# Altium PCB HACK_LINK_V1_new_power.PcbDoc (part 1 of 6) (continued)
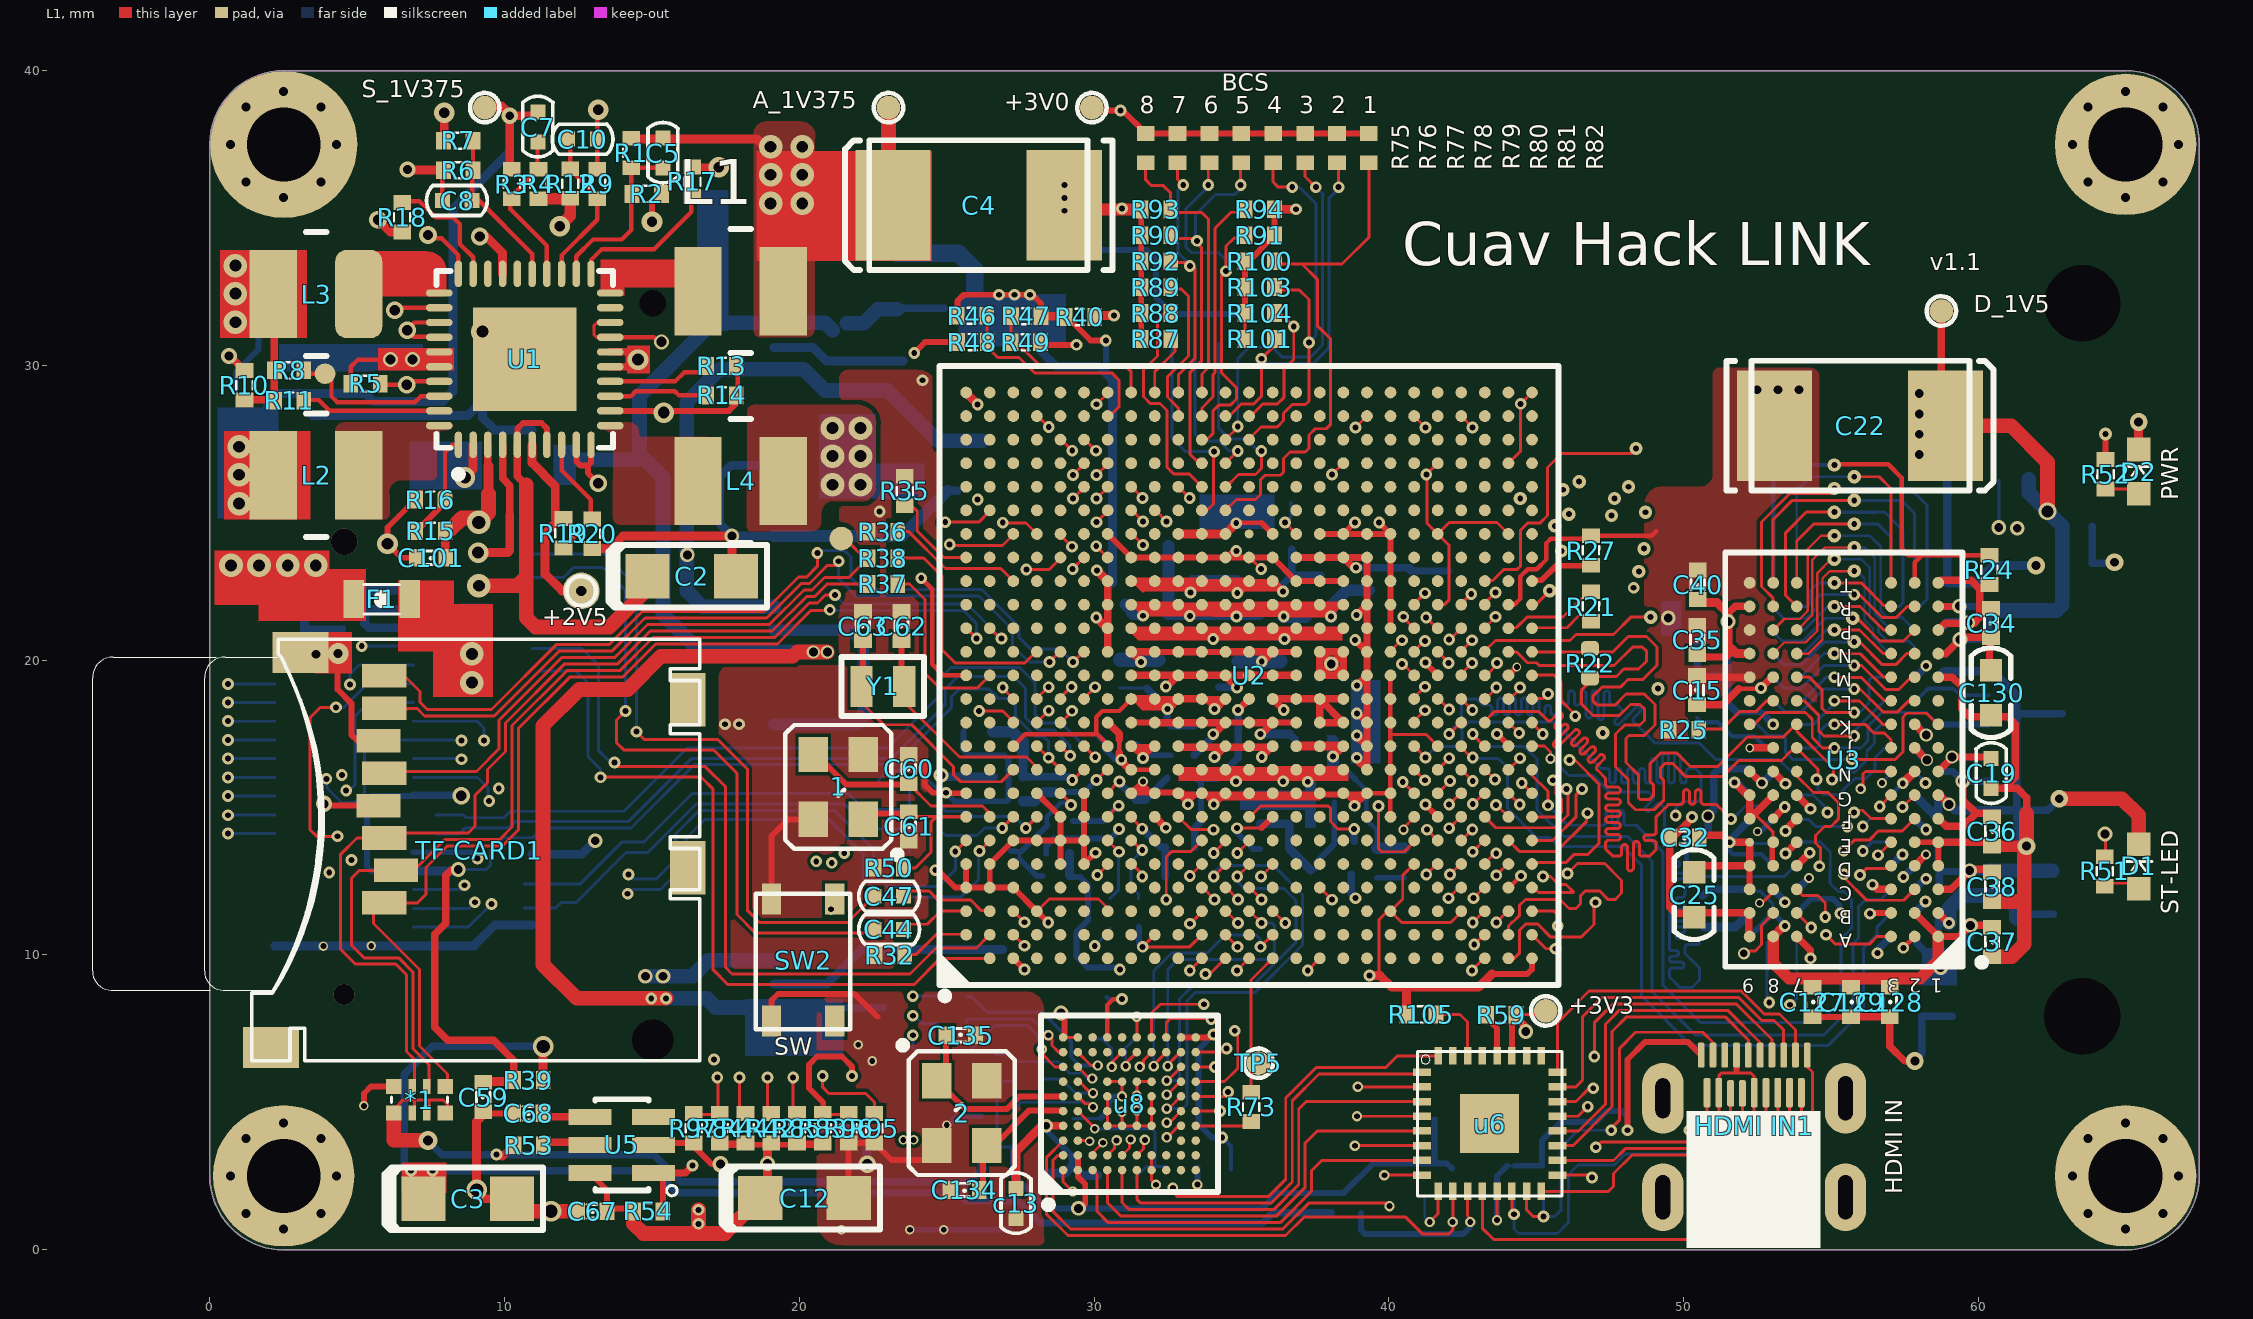
[diagram p0: L1 view]
## Components (designator, comment, footprint, x,y, rotation, side; value= is the part's Value field where it differs from the comment) (continued)
C105 "22u" 0805cap#1 31.375,18.25 r90 bottom
C106 "220n" 0402cap#2 30.175,17.9 r270 bottom
C107 "220n" 0402cap#2 27.091,15.215 r0 bottom
C108 "220n" 0402cap#2 34.766,25.89 r270 bottom
C109 "220n" 0402cap#2 31.125,22.625 r180 bottom
C110 "220n" 0402cap#2 35.741,25.89 r270 bottom
C111 "22u" 0805cap#2 26.2,30.058 r270 bottom
C112 "22u" 0805cap#2 28.211,30.058 r270 bottom
C114 "22u" C0603 27.175,13.525 r270 bottom
C115 "220n" 0402cap#2 33.866,25.89 r270 bottom
C116 "220n" 0402cap#2 50.65,11.5 r90 bottom
C117 "220n" 0402cap#2 59.116,8.415 r90 bottom
C118 "220n" 0402cap#2 58.091,8.415 r90 bottom
C119 "220n" 0402cap#2 39.966,18.79 r180 bottom
C120 "220n" 0402cap#2 39.966,17.865 r180 bottom
C121 "220n" 0402cap#2 39.966,16.94 r180 bottom
C122 "220n" 0402cap#2 36.125,13.6 r180 bottom
C123 "220n" 0402cap#2 26.175,4.025 r270 bottom
C124 "220n" 0402cap#2 28.9,21.225 r0 bottom
C125 "220n" 0402cap#2 63.366,23.29 r180 bottom
C126 "220n" 0402cap#2 63.366,24.54 r180 bottom
C127 "220n" 0402cap#2 54.375,8.399 r90 top
C128 "220n" 0402cap#2 56.997,8.399 r90 top
C129 "220n" 0402cap#2 55.686,8.399 r90 top
C130 "22u" C0603 60.435,19.659 r270 top
C131 "22u" C0603 62.55,12.9 r270 bottom
C132 "220n" 0402cap#2 28.875,22.125 r0 bottom
C133 "22UF" 0603C 30.7,2.575 r0 bottom
C134 "18p" 0402cap#2 25.6,2.025 r0 top
C135 "18p" 0402cap#2 25.475,7.275 r180 top
con1 "528850474" 528850474 4.5,15.75 r270 bottom locked
D1 "LED0" 0603-led-b 65.475,12.95 r90 top
D2 "LED0" 0603-led-b 65.475,26.35 r90 top
D_1V5 "" C035S#2 58.75,31.85 r90 top
F1 "3A" 0805L 5.825,22.1 r180 top
FB1 "220R, 2.5A" 0402r 32.975,16 r0 bottom
H_1V8 "H_3V3" C035S#2 28.275,2.6 r90 bottom
"HDMI IN1" "467651301" 467651301 52.525,2.5 r0 top
J1 "CON 2X26 MINI PCI EXPRESS" 0679100002 37.25,20.7 r90 bottom locked
L1 "1.5UH" VLCF4020#1 18.056,32.425 r0 top
L2 "1.5UH" VLCF4020#1 3.55,26.375 r180 top
L3 "1.5uh" VLCF4020#2 3.55,32.525 r180 top
L4 "1uh" VLCF4020#1 18.056,25.979 r0 top
R1 "215K" R0402#1 14.275,37.2 r90 top
R2 "200k" R0402#1 14.825,35.8 r180 top
R3 "178K" R0402#1 10.225,36.15 r90 top
R4 "200k" R0402#1 11.125,36.15 r90 top
R5 "50k" R0402#1 5.275,29.4 r0 top
R6 "715K" R0402#1 8.431,36.604 r180 top
R7 "200k" R0402#1 8.431,37.604 r180 top
R8 "68K" R0402#1 2.681,29.854 r0 top
R9 "215K" R0402#1 13.121,36.154 r90 top
R10 "68K" R0402#1 1.15,29.325 r90 top
R11 "68K" R0402#1 2.681,28.829 r0 top
R12 "200k" R0402#1 12.246,36.179 r270 top
R13 "4.7K" R0402#1 17.356,30.004 r0 top
R14 "4.7K" R0402#1 17.356,29.004 r0 top
R15 "619K" R0402#1 7.481,24.404 r0 top
R16 "200k" R0402#2 7.481,25.429 r180 top
R17 "10K" R0402#1 16.35,36.225 r90 top
R18 "10K" R0402#1 6.5,35.025 r90 top
R19 "500k" R0402#1 11.975,24.3 r90 top
R20 "200k" R0402#1 12.989,24.295 r270 top
R21 "200R" R0402#1 46.841,21.815 r90 top
R22 "200R" R0402#3 46.85,19.9 r270 top
R23 "10k" R0402#1 60.816,17.765 r180 bottom
R24 "10k" R0402#1 60.36,23.059 r90 top
R25 "240R" R0402#1 50.01,17.659 r0 top
R26 "240R" R0402#1 60.816,18.815 r180 bottom
R27 "240R" R0402#1 46.841,23.715 r90 top
R28 "240R" R0402#1 61.21,25.241 r0 bottom
R29 "240R" R0402#1 59.46,25.241 r0 bottom
R30 "0R" R0402#1 32.925,13.675 r180 bottom
R31 "0R" R0402#1 29.26,13.959 r90 bottom
R32 "200R" R0402#1 23.066,10.015 r0 top
R33 "49R9" R0402#1 23.2,15.7 r0 bottom
R34 "49R9" R0402#1 24.2,13.25 r180 bottom
R35 "10k" R0402#1 23.6,25.75 r270 top
R36 "10k" R0402#1 22.841,24.34 r180 top
R37 "22R" R0402#1 22.841,22.565 r180 top
R38 "22R" R0402#1 22.841,23.44 r180 top
R39 "0R" R0402#1 10.8,5.775 r0 top
R40 "10k" R0402#1 29.525,31.625 r180 top
R41 "0R" R0402#1 27.091,16.015 r180 bottom
R42 "10k" R0402#1 19.067,4.125 r270 top
R43 "22R" R0402#1 30.525,11.462 r270 bottom
R44 "100k" R0402#1 18.192,4.125 r270 top
R45 "1k" R0402#1 31.55,11.45 r90 bottom
R46 "100k" R0402#1 25.866,31.665 r180 top
R47 "100k" R0402#1 27.691,31.69 r0 top
R48 "100k" R0402#1 25.866,30.815 r0 top
R49 "100k" R0402#1 27.691,30.765 r180 top
R50 "2M2" R0402#1 23.035,12.934 r180 top
R51 "1K" R0402#1 64.275,12.825 r90 top
R52 "1K" R0402#1 64.3,26.3 r90 top
R53 "10K" R0402#1 10.825,3.525 r180 top
R54 "10k" R0402#1 14.875,1.275 r180 top
R55 "0R" R0402#1 38.675,13.125 r270 bottom
R56 "2R2" R0402#1 28.366,13.915 r90 bottom
R57 "10R" R0402#1 28.366,12.115 r90 bottom
R58 "0R" R0402#1 38.5,1.15 r0 bottom
R59 "47K" R0402#1 43.825,7.95 r180 top
R60 "47K" R0402#1 45.216,2.238 r90 bottom
R61 "47K" R0402#1 44.291,2.238 r90 bottom
R62 "0R" R0402#1 26.725,2.65 r180 bottom
R63 "0R" R0402#1 29.25,3.95 r90 bottom
R64 "47K" R0402#1 27.325,4.075 r90 bottom
R65 "47K" R0402#1 26.6,6.175 r90 bottom
R66 "47K" R0402#1 27.925,5.725 r0 bottom
R67 "10k" R0402#1 42.15,2.3 r270 bottom
R68 "10K" R0402#1 41.25,2.3 r270 bottom
R69 "1K" R0402#1 25.175,6.775 r180 bottom
R70 "1K" R0402#1 25.175,7.688 r180 bottom
R71 "1K" R0402#1 25.175,8.6 r180 bottom
R72 "1K" R0402#1 29.941,8.59 r180 bottom
R73 "33R" R0402#1 35.35,4.85 r270 top
R74 "47K" R0402#1 33,2.775 r0 bottom
R75 "0" 0402r 31.75,37.375 r90 top
R76 "10K" 0402r 32.832,37.375 r90 top
R77 "0" 0402r 33.914,37.375 r90 top
R78 "0" 0402r 34.996,37.375 r90 top
R79 "0" 0402r 36.079,37.375 r90 top
R80 "0" 0402r 37.161,37.375 r90 top
R81 "10K" 0402r 38.243,37.375 r90 top
R82 "0" 0402R 39.325,37.375 r90 top
R83 "10k" R0402#1 20.817,4.125 r270 top
R84 "10k" R0402#1 17.317,4.125 r270 top
R85 "4k99" R0402#1 19.942,4.125 r270 top
R86 "4.7K" 0402R 32.65,31.25 r90 bottom
R87 "4.7K" 0402R 32.1,30.9 r180 top
R88 "4.7K" 0402R 32.1,31.779 r180 top
R89 "4.7K" 0402R 32.1,32.657 r180 top
R90 "4.7K" 0402R 32.1,34.414 r180 top
R91 "4.7K" 0402R 35.625,34.42 r0 top
R92 "" 0402R 32.1,33.536 r180 top
R93 "4.7K" 0402r 32.1,35.293 r180 top
R94 "4.7K" 0402r 35.625,35.3 r0 top
R95 "4k99" R0402#1 22.525,4.113 r90 top
R96 "10k" R0402#1 21.65,4.113 r90 top
R97 "10k" R0402#1 16.4,4.113 r90 top
R98 "4.7K" 0402r 34.217,31.25 r90 bottom
R99 "4.7K" 0402r 33.433,31.25 r90 bottom
R100 "4.7K" 0402r 35.625,33.54 r180 top
R101 "" 0402r 35.625,30.9 r180 top
R102 "4.7K" 0402r 35,31.25 r90 bottom
R103 "4.7K" 0402r 35.625,32.66 r180 top
R104 "4.7K" 0402r 35.625,31.78 r180 top
R105 "10k" R0402#1 41.1,8 r0 top
R106 "0R" R0402#1 34.625,2.225 r270 bottom
S_1V375 "" C035S#2 9.325,38.75 r90 top
SH1 "SOLDER SHORT" 0805L 23.285,32.859 r90 bottom
SH2 "SOLDER SHORT" 0805L 23.575,27.275 r90 bottom
SW2 "EVQPUA02K" SKRPAB 20.05,9.85 r270 top
"TF CARD1" "TF-CARD" 47352-1001 10.8,14 r90 top locked
TP1 "TEST POINT" C035S#2 21.95,29.175 r270 bottom
TP3 "7610_VSYNC" C035S#2 29.925,7.15 r90 bottom
TP4 "7610_HSYNC" C035S#2 31.4,7.175 r90 bottom
TP5 "tpad_020" C035S#2 35.575,6.325 r90 top
TP6 "H_3V3" C035S#2 41.55,4.425 r90 bottom
TP_PCI_E_VCC1 "TEST POINT" C035S#2 22.925,8.25 r90 bottom
U1 "LTC3676" qfn40 10.682,30.209 r90 top
U2 "MCIMX6Q5EYM10AC" PBGA624 35.26,19.484 r90 top (schematic designator U4)
U3 "MT41K128M16JT" 96_FPGA_DD3#1 55.444,16.624 r180 top locked (schematic designator U2)
U4 "MT41K128M16JT" 96_FPGA_DD3#2 55.444,16.624 r0 bottom locked (schematic designator U3)
U5 "TPS3808G33" SOT-23-6 13.975,3.551 r270 top
u6 "NXP4787" QFN32_1 43.425,4.275 r0 top
u8 "adv7610" BC-76 31.2,4.95 r90 top
Y1 "32.768kHz" ABS06 22.735,19.134 r0 top

## Footprints (in the part's own frame and the unit in brackets; to place one, negate y for a bottom-side part, rotate by r counter-clockwise, add the part's x,y. Pads: shape width x height; smd on the part's side, far side on the other; paste and mask are expansions set on the pad)
96_FPGA_DD3#1 [mm]
  round 0.4 smd: A1(-3.2,6) A2(-2.4,6) A3(-1.6,6) A7(1.6,6) A8(2.4,6) A9(3.2,6) B1(-3.2,5.2) B2(-2.4,5.2) B3(-1.6,5.2) B7(1.6,5.2) B8(2.4,5.2) B9(3.2,5.2) C1(-3.2,4.4) C2(-2.4,4.4) C3(-1.6,4.4) C7(1.6,4.4) C8(2.4,4.4) C9(3.2,4.4) D1(-3.2,3.6) D2(-2.4,3.6) D3(-1.6,3.6) D7(1.6,3.6) D8(2.4,3.6) D9(3.2,3.6) E1(-3.2,2.8) E2(-2.4,2.8) E3(-1.6,2.8) E7(1.6,2.8) E8(2.4,2.8) F1(-3.2,2) F2(-2.4,2) F3(-1.6,2) F7(1.6,2) F9(3.2,2) G1(-3.2,1.2) G2(-2.4,1.2) G3(-1.6,1.2) G7(1.6,1.2) G8(2.4,1.2) G9(3.2,1.2) H1(-3.2,0.4) H2(-2.4,0.4) H3(-1.6,0.4) H7(1.6,0.4) H8(2.4,0.4) H9(3.2,0.4) J1(-3.2,-0.4) J2(-2.4,-0.4) J3(-1.6,-0.4) J7(1.6,-0.4) J8(2.4,-0.4) K1(-3.2,-1.2) K2(-2.4,-1.2) K3(-1.6,-1.2) K7(1.6,-1.2) K8(2.4,-1.2) K9(3.2,-1.2) L1(-3.2,-2) L2(-2.4,-2) L3(-1.6,-2) L7(1.6,-2) L8(2.4,-2) L9(3.2,-2) M1(-3.2,-2.8) M2(-2.4,-2.8) M3(-1.6,-2.8) M7(1.6,-2.8) M8(2.4,-2.8) M9(3.2,-2.8) N1(-3.2,-3.6) N2(-2.4,-3.6) N3(-1.6,-3.6) N7(1.6,-3.6) N8(2.4,-3.6) N9(3.2,-3.6) P1(-3.2,-4.4) P2(-2.4,-4.4) P3(-1.6,-4.4) P7(1.6,-4.4) P8(2.4,-4.4) P9(3.2,-4.4) R1(-3.2,-5.2) R2(-2.4,-5.2) R3(-1.6,-5.2) R7(1.6,-5.2) R8(2.4,-5.2) R9(3.2,-5.2) T1(-3.2,-6) T2(-2.4,-6) T3(-1.6,-6) T7(1.6,-6) T8(2.4,-6) T9(3.2,-6)
  round 0.3 smd: E9(3.2,2.8)
  round 0.35 smd: F8(2.4,2)
  silkscreen extent -4.8,-7.02 4.02,7.02, body extent -4.03,-7.02 4.02,7.02, height 1.1
96_FPGA_DD3#2 [mm]
  round 0.4 smd: A1(-3.2,6) A2(-2.4,6) A3(-1.6,6) A7(1.6,6) A8(2.4,6) A9(3.2,6) B1(-3.2,5.2) B2(-2.4,5.2) B3(-1.6,5.2) B7(1.6,5.2) B8(2.4,5.2) B9(3.2,5.2) C1(-3.2,4.4) C3(-1.6,4.4) C7(1.6,4.4) C8(2.4,4.4) C9(3.2,4.4) D1(-3.2,3.6) D2(-2.4,3.6) D3(-1.6,3.6) D7(1.6,3.6) D8(2.4,3.6) D9(3.2,3.6) E2(-2.4,2.8) E3(-1.6,2.8) E7(1.6,2.8) E8(2.4,2.8) E9(3.2,2.8) F1(-3.2,2) F2(-2.4,2) F3(-1.6,2) F7(1.6,2) F8(2.4,2) F9(3.2,2) G1(-3.2,1.2) G2(-2.4,1.2) G3(-1.6,1.2) G7(1.6,1.2) G8(2.4,1.2) G9(3.2,1.2) H1(-3.2,0.4) H2(-2.4,0.4) H3(-1.6,0.4) H7(1.6,0.4) H8(2.4,0.4) H9(3.2,0.4) J2(-2.4,-0.4) J3(-1.6,-0.4) J7(1.6,-0.4) J8(2.4,-0.4) J9(3.2,-0.4) K1(-3.2,-1.2) K2(-2.4,-1.2) K3(-1.6,-1.2) K7(1.6,-1.2) K8(2.4,-1.2) K9(3.2,-1.2) L1(-3.2,-2) L2(-2.4,-2) L3(-1.6,-2) L7(1.6,-2) L8(2.4,-2) L9(3.2,-2) M1(-3.2,-2.8) M2(-2.4,-2.8) M3(-1.6,-2.8) M7(1.6,-2.8) M8(2.4,-2.8) M9(3.2,-2.8) N1(-3.2,-3.6) N2(-2.4,-3.6) N3(-1.6,-3.6) N7(1.6,-3.6) N8(2.4,-3.6) N9(3.2,-3.6) P1(-3.2,-4.4) P2(-2.4,-4.4) P3(-1.6,-4.4) P7(1.6,-4.4) P8(2.4,-4.4) P9(3.2,-4.4) R1(-3.2,-5.2) R2(-2.4,-5.2) R3(-1.6,-5.2) R7(1.6,-5.2) R8(2.4,-5.2) R9(3.2,-5.2) T1(-3.2,-6) T2(-2.4,-6) T3(-1.6,-6) T7(1.6,-6) T8(2.4,-6) T9(3.2,-6)
  round 0.35 smd: C2(-2.4,4.4)
  round 0.3 smd: E1(-3.2,2.8)
  silkscreen extent -4.8,-7.02 4.02,7.02, body extent -4.03,-7.02 4.02,7.02, height 1.1
0402_4R [mm]
  rect 0.525x0.5 smd: 1(-0.85,-0.425) 4(0.9,-0.425) 5(0.9,0.475) 8(-0.85,0.475)
  rect 0.25x0.5 smd: 2(-0.225,-0.425) 3(0.275,-0.425) 6(0.275,0.475) 7(-0.225,0.475)
  silkscreen extent -0.93,-0.08 0.97,0.12, body extent -0.97,-0.5 1.03,0.5, height 0.45
0402CAP [mm]
  rect 0.5x0.6 smd: 1(0.5,0) 2(-0.5,0)
  silkscreen extent -0.18,-0.23 0.18,0.23, body extent -0.5,-0.25 0.5,0.25, height 0.5
0402cap#1 [mm]
  rrect50% 0.5x0.6 smd: 1(0.5,0) 2(-0.5,0)
  silkscreen extent -0.18,-0.23 0.18,0.23, body extent -0.5,-0.25 0.5,0.25, height 0.5
0402cap#2 [mm]
  rect 0.5x0.6 smd: 1(0.5,0) 2(-0.5,0)
  silkscreen extent -0.18,-0.23 0.18,0.23, body extent -0.5,-0.25 0.5,0.25, height 0.5
0402r [mm]
  rect 0.5x0.6 smd: 1(0.5,0) 2(-0.5,0)
  body extent -0.5,-0.25 0.5,0.25, height 0.3
0402R [mm]
  rect 0.5x0.6 smd: 1(0.5,0) 2(-0.5,0)
  body extent -0.5,-0.25 0.5,0.25, height 0.3
0603-led-b [mm]
  rect 0.8x0.8 smd: 1(-0.7,0.031) 2(0.8,0.031)
  silkscreen extent -0.09,-0.43 0.22,0.49, body extent -0.7,-0.38 0.9,0.42, height 0.8
0603c [mm]
  rect 0.7x0.9 smd: 1(0.721,-0.013) 2(-0.579,-0.013)
  silkscreen extent 0.07,-0.04 0.07,0.02, body extent -0.75,-0.42 0.85,0.38, height 0.6
0603C [mm]
  rect 0.7x0.9 smd: 1(0.721,-0.013) 2(-0.579,-0.013)
  silkscreen extent 0.07,-0.04 0.07,0.02, body extent -0.75,-0.42 0.85,0.38, height 0.6
0805cap#1 [mm]
  rrect50% 0.7x1.3 smd: 1(-0.95,-0.025) 2(0.95,-0.025)
  silkscreen extent -0.55,-0.6 0.55,0.55, body extent -1.02,-0.62 0.98,0.58, height 1.2
0805cap#2 [mm]
  rect 0.7x1.3 smd: 1(-0.95,-0.025) 2(0.95,-0.025)
  silkscreen extent -0.55,-0.6 0.55,0.55, body extent -1.02,-0.62 0.98,0.58, height 1.2
0805L [mm]
  rect 0.7x1.3 smd: 1(-0.95,0.025) 2(0.95,0.025)
  silkscreen extent -0.6,-0.47 0.6,0.53, body extent -0.97,-0.6 1.03,0.65, height 0.45
1206_CC [mm]
  rect 1.5x1.25 smd: 1(-0.103,-1.347) 2(-0.103,1.403)
  silkscreen extent -1.17,-2.49 0.96,2.3, body extent -0.89,-1.57 0.71,1.63, height 0.95
7343CAP#1 [mm]
  rect 2.55x3.75 smd: 1(-2.518,-0.084) 2(3.289,-0.084)
  silkscreen extent -4.15,-2.28 4.92,2.12, body extent -3.14,-2.4 4.16,1.9, height 2.25
7343CAP#2 [mm]
  rect 2.55x3.75 smd: A(-2.518,-0.084) C(3.289,-0.084)
  silkscreen extent -4.15,-2.28 4.92,2.12, body extent -3.14,-2.4 4.16,1.9, height 2.25
47352-1001 [mm]
  rect 0.8x1.5 smd: 1(-2.233,4.882) 2(-1.133,4.482) 3(-0.033,4.882) 4(1.067,5.082) 5(2.167,4.882) 6(3.267,5.082) 7(4.367,4.882) 8(5.467,4.882)
  rect 1.4x1.9 smd: 6(6.257,7.732) NC(-7.143,8.732)
  rect 1.8x1.2 smd: NC1(-1.043,-5.418) NC2(4.657,-5.418)
  silkscreen extent -7.59,-5.82 6.71,14.78, body extent -7.4,-6.11 6.7,9.09, height 1.9
467651301 [mm]
  oval 1.4x2.3 hole 0.5 slot 1.5 at 90 deg: 0(-3.225,-0.725) 0(2.975,-0.725)
  oval 1.4x2.4 hole 0.5 slot 1.35 at 90 deg: 0(-3.225,2.635)
  oval 1.4x2.4 hole 0.5 slot 1.5 at 90 deg: 0(2.975,2.635)
  rrect50% 0.23x0.85 smd: 1(1.675,4.1) 3(1.275,4.1) 5(0.875,4.1) 7(0.475,4.1) 9(0.075,4.1) 11(-0.325,4.1) 13(-0.725,4.1) 15(-1.125,4.1) 17(-1.525,4.1) 19(-1.925,4.1)
  rrect50% 0.23x1 smd: 2(1.475,2.825) 4(1.075,2.825) 6(0.675,2.825) 8(0.275,2.825) 10(-0.125,2.825) 16(-1.325,2.825) 18(-1.725,2.825)
  rrect50% 0.23x0.9 smd: 12(-0.525,2.8) 14(-0.925,2.8)
  silkscreen extent -2.42,-2.45 2.13,2.2, body extent -3.38,-3.15 3.12,4.35, height 2.92
528850474 [mm]
  rect 2.5x2 smd: 0(-10.375,-0.05) 0(9.195,-0.05)
  rrect50% 0.35x2.5 smd: 1(-6.622,-2.4) 2(-5.987,-2.4) 3(-5.352,-2.4) 4(-4.717,-2.4) 5(-4.082,-2.4) 6(-3.447,-2.4) 7(-2.812,-2.4) 8(-2.177,-2.4) 9(-1.542,-2.4) 10(-0.907,-2.4) 11(-0.272,-2.4) 12(0.363,-2.4) 13(0.998,-2.4) 14(1.633,-2.4) 15(2.268,-2.4) 16(2.903,-2.4) 17(3.538,-2.4) 18(4.173,-2.4) 19(4.808,-2.4) 20(5.443,-2.4) 21(5.443,2.3) 22(4.808,2.3) 23(4.173,2.3) 24(3.538,2.3) 25(2.903,2.3) 26(2.268,2.3) 27(1.633,2.3) 28(0.998,2.3) 29(0.363,2.3) 30(-0.272,2.3) 31(-0.907,2.3) 32(-1.542,2.3) 33(-2.177,2.3) 34(-2.812,2.3) 35(-3.447,2.3) 36(-4.082,2.3) 37(-4.717,2.3) 38(-5.352,2.3) 39(-5.987,2.3) 40(-6.622,2.3)
  silkscreen extent -10.37,-3.25 9.2,3.15, body extent -10.89,-3.25 9.68,3.15, height 3.98
0679100002 [mm]
  rect 0.55x2 smd: 1(-12.885,-26.321) 2(-12.485,-18.121) 3(-12.085,-26.321) 4(-11.685,-18.121) 5(-11.285,-26.321) 6(-10.885,-18.121) 7(-10.485,-26.321) 8(-10.085,-18.121) 9(-9.685,-26.321) 10(-9.285,-18.121) 11(-8.885,-26.321) 12(-8.485,-18.121) 13(-8.085,-26.321) 14(-7.685,-18.121) 15(-7.285,-26.321) 16(-6.885,-18.121) 17(-3.285,-26.321) 18(-2.885,-18.121) 19(-2.485,-26.321) 20(-2.085,-18.121) 21(-1.685,-26.321) 22(-1.285,-18.121) 23(-0.885,-26.321) 24(-0.485,-18.121) 25(-0.085,-26.321) 26(0.315,-18.121) 27(0.715,-26.321) 28(1.115,-18.121) 29(1.515,-26.321) 30(1.915,-18.121) 31(2.315,-26.321) 32(2.715,-18.121) 33(3.115,-26.321) 34(3.515,-18.121) 35(3.915,-26.321) 36(4.315,-18.121) 37(4.715,-26.321) 38(5.115,-18.121) 39(5.515,-26.321) 40(5.915,-18.121) 41(6.315,-26.321) 42(6.715,-18.121) 43(7.115,-26.321) 44(7.515,-18.121) 45(7.915,-26.321) 46(8.315,-18.121) 47(8.715,-26.321) 48(9.115,-18.121) 49(9.515,-26.321) 50(9.915,-18.121) 51(10.315,-26.321) 52(10.715,-18.121)
  rect 2x3.2 smd: " "(-15.435,-25.721) " 43"(13.265,-25.721)
  round 1 hole 1.4: " "(-13.585,-22.221)
  round 0 hole 2.6: " "(-12.785,26.279) " "(11.415,26.279)
  round 0 hole 0.9: " "(11.415,-22.221)
  body extent -16,-27 13.9,-17.4, height 4
ABS06 [mm]
  rect 0.75x1.4 smd: 1(0.825,-0.025) 2(-0.625,-0.025)
  silkscreen extent -1.3,-1.02 1.5,0.98, body extent -0.9,-0.63 1.1,0.6, height 1
BC-76 [mm]
  round 0.29 smd: A1(-2.25,2.25) A2(-1.75,2.25) A3(-1.25,2.25) A4(-0.75,2.25) A5(-0.25,2.25) A6(0.25,2.25) A7(0.75,2.25) A8(1.25,2.25) A9(1.75,2.25) A10(2.25,2.25) B1(-2.25,1.75) B2(-1.75,1.75) B3(-1.25,1.75) B4(-0.75,1.75) B5(-0.25,1.75) B6(0.25,1.75) B7(0.75,1.75) B8(1.25,1.75) B9(1.75,1.75) B10(2.25,1.75) C1(-2.25,1.25) C2(-1.75,1.25) C9(1.75,1.25) C10(2.25,1.25) D1(-2.25,0.75) D2(-1.75,0.75) D4(-0.75,0.75) D5(-0.25,0.75) D6(0.25,0.75) D7(0.75,0.75) D9(1.75,0.75) D10(2.25,0.75) E1(-2.25,0.25) E2(-1.75,0.25) E4(-0.75,0.25) E7(0.75,0.25) E9(1.75,0.25) E10(2.25,0.25) F1(-2.25,-0.25) F2(-1.75,-0.25) F4(-0.75,-0.25) F7(0.75,-0.25) F9(1.75,-0.25) F10(2.25,-0.25) G1(-2.25,-0.75) G2(-1.75,-0.75) G4(-0.75,-0.75) G5(-0.25,-0.75) G6(0.25,-0.75) G7(0.75,-0.75) G9(1.75,-0.75) G10(2.25,-0.75) H1(-2.25,-1.25) H2(-1.75,-1.25) H9(1.75,-1.25) H10(2.25,-1.25) J1(-2.25,-1.75) J2(-1.75,-1.75) J3(-1.25,-1.75) J4(-0.75,-1.75) J5(-0.25,-1.75) J6(0.25,-1.75) J7(0.75,-1.75) J8(1.25,-1.75) J9(1.75,-1.75) J10(2.25,-1.75) K1(-2.25,-2.25) K2(-1.75,-2.25) K3(-1.25,-2.25) K4(-0.75,-2.25) K5(-0.25,-2.25) K6(0.25,-2.25) K7(0.75,-2.25) K8(1.25,-2.25) K9(1.75,-2.25) K10(2.25,-2.25)
  silkscreen extent -3.55,-3 3,3, body extent -3,-3 3,3, height 1.4
C035S#1 [mm]
  round 1.25 smd: 1(0,0)
  silkscreen extent -0.5,-0.5 0.5,0.5
C035S#2 [mm]
  round 0.8 smd: 1(0,0)
  silkscreen extent -0.5,-0.5 0.5,0.5
C0402 [mil]
  rect 20x20 smd: 1(0,0) 2(40,0)
  silkscreen extent -21,-20 60,20, body extent 1,-12 40,12, height 8
C0603 [mil]
  rect 30x30 smd: 1(0,0) 2(60,0)
  silkscreen extent -30,-27 90,27, body extent -1,-16 62,15, height 24
C1206A [mm]
  rect 1.5x1.5 smd: 1(0,0) 2(3,0)
  silkscreen extent -1.32,-1.07 4.06,1.07, body extent -0.1,-0.81 3.1,0.79, height 0.95
PBGA624 [mm]
  round 0.4 smd: A2(-8.8,9.6) A3(-8,9.6) A4(-7.2,9.6) A5(-6.4,9.6) A6(-5.6,9.6) A7(-4.8,9.6) A8(-4,9.6) A9(-3.2,9.6) A10(-2.4,9.6) A11(-1.6,9.6) A12(-0.8,9.6) A13(0,9.6) A14(0.8,9.6) A15(1.6,9.6) A16(2.4,9.6) A17(3.2,9.6) A18(4,9.6) A19(4.8,9.6) A20(5.6,9.6) A21(6.4,9.6) A22(7.2,9.6) A23(8,9.6) A24(8.8,9.6) A25(9.6,9.6) AA1(-9.6,-6.4) AA2(-8.8,-6.4) AA3(-8,-6.4) AA4(-7.2,-6.4) AA5(-6.4,-6.4) AA6(-5.6,-6.4) AA7(-4.8,-6.4) AA8(-4,-6.4) AA9(-3.2,-6.4) AA10(-2.4,-6.4) AA11(-1.6,-6.4) AA12(-0.8,-6.4) AA13(0,-6.4) AA14(0.8,-6.4) AA15(1.6,-6.4) AA16(2.4,-6.4) AA17(3.2,-6.4) AA18(4,-6.4) AA19(4.8,-6.4) AA20(5.6,-6.4) AA21(6.4,-6.4) AA22(7.2,-6.4) AA23(8,-6.4) AA24(8.8,-6.4) AA25(9.6,-6.4) AB1(-9.6,-7.2) AB2(-8.8,-7.2) AB3(-8,-7.2) AB4(-7.2,-7.2) AB5(-6.4,-7.2) AB6(-5.6,-7.2) AB7(-4.8,-7.2) AB8(-4,-7.2) AB9(-3.2,-7.2) AB10(-2.4,-7.2) AB11(-1.6,-7.2) AB12(-0.8,-7.2) AB13(0,-7.2) AB14(0.8,-7.2) AB15(1.6,-7.2) AB16(2.4,-7.2) AB17(3.2,-7.2) AB18(4,-7.2) AB19(4.8,-7.2) AB20(5.6,-7.2) AB21(6.4,-7.2) AB22(7.2,-7.2) AB23(8,-7.2) AB24(8.8,-7.2) AB25(9.6,-7.2) AC1(-9.6,-8) AC2(-8.8,-8) AC3(-8,-8) AC4(-7.2,-8) AC5(-6.4,-8) AC6(-5.6,-8) AC7(-4.8,-8) AC8(-4,-8) AC9(-3.2,-8) AC10(-2.4,-8) AC11(-1.6,-8) AC12(-0.8,-8) AC13(0,-8) AC14(0.8,-8) AC15(1.6,-8) AC16(2.4,-8) AC17(3.2,-8) AC18(4,-8) AC19(4.8,-8) AC20(5.6,-8) AC21(6.4,-8) AC22(7.2,-8) AC23(8,-8) AC24(8.8,-8) AC25(9.6,-8) AD1(-9.6,-8.8) AD2(-8.8,-8.8) AD3(-8,-8.8) AD4(-7.2,-8.8) AD5(-6.4,-8.8) AD6(-5.6,-8.8) AD7(-4.8,-8.8) AD8(-4,-8.8) AD9(-3.2,-8.8) AD10(-2.4,-8.8) AD11(-1.6,-8.8) AD12(-0.8,-8.8) AD13(0,-8.8) AD14(0.8,-8.8) AD15(1.6,-8.8) AD16(2.4,-8.8) AD17(3.2,-8.8) AD18(4,-8.8) AD19(4.8,-8.8) AD20(5.6,-8.8) AD21(6.4,-8.8) AD22(7.2,-8.8) AD23(8,-8.8) AD24(8.8,-8.8) AD25(9.6,-8.8) AE1(-9.6,-9.6) AE2(-8.8,-9.6) AE3(-8,-9.6) AE4(-7.2,-9.6) AE5(-6.4,-9.6) AE6(-5.6,-9.6) AE7(-4.8,-9.6) AE8(-4,-9.6) AE9(-3.2,-9.6) AE10(-2.4,-9.6) AE11(-1.6,-9.6) AE12(-0.8,-9.6) AE13(0,-9.6) AE14(0.8,-9.6) AE15(1.6,-9.6) AE16(2.4,-9.6) AE17(3.2,-9.6) AE18(4,-9.6) AE19(4.8,-9.6) AE20(5.6,-9.6) AE21(6.4,-9.6) AE22(7.2,-9.6) AE23(8,-9.6) AE24(8.8,-9.6) AE25(9.6,-9.6) B1(-9.6,8.8) B2(-8.8,8.8) B3(-8,8.8) B4(-7.2,8.8) B5(-6.4,8.8) B6(-5.6,8.8) B7(-4.8,8.8) B8(-4,8.8) B9(-3.2,8.8) B10(-2.4,8.8) B11(-1.6,8.8) B12(-0.8,8.8) B13(0,8.8) B14(0.8,8.8) B15(1.6,8.8) B16(2.4,8.8) B17(3.2,8.8) B18(4,8.8) B19(4.8,8.8) B20(5.6,8.8) B21(6.4,8.8) B22(7.2,8.8) B23(8,8.8) B24(8.8,8.8) B25(9.6,8.8) C1(-9.6,8) C2(-8.8,8) C3(-8,8) C4(-7.2,8) C5(-6.4,8) C6(-5.6,8) C7(-4.8,8) C8(-4,8) C9(-3.2,8) C10(-2.4,8) C11(-1.6,8) C12(-0.8,8) C13(0,8) C14(0.8,8) C15(1.6,8) C16(2.4,8) C17(3.2,8) C18(4,8) C19(4.8,8) C20(5.6,8) C21(6.4,8) C22(7.2,8) C23(8,8) C24(8.8,8) C25(9.6,8) D1(-9.6,7.2) D2(-8.8,7.2) D3(-8,7.2) D4(-7.2,7.2) D5(-6.4,7.2) D6(-5.6,7.2) D7(-4.8,7.2) D8(-4,7.2) D9(-3.2,7.2) D10(-2.4,7.2) D11(-1.6,7.2) D12(-0.8,7.2) D13(0,7.2) D14(0.8,7.2) D15(1.6,7.2) D16(2.4,7.2) D17(3.2,7.2) D18(4,7.2) D19(4.8,7.2) D20(5.6,7.2) D21(6.4,7.2) D22(7.2,7.2) D23(8,7.2) D24(8.8,7.2) D25(9.6,7.2) E1(-9.6,6.4) E2(-8.8,6.4) E3(-8,6.4) E4(-7.2,6.4) E5(-6.4,6.4) E6(-5.6,6.4) E7(-4.8,6.4) E8(-4,6.4) E9(-3.2,6.4) E10(-2.4,6.4) E11(-1.6,6.4) E12(-0.8,6.4) E13(0,6.4) E14(0.8,6.4) E15(1.6,6.4) E16(2.4,6.4) E17(3.2,6.4) E18(4,6.4) E19(4.8,6.4) E20(5.6,6.4) E21(6.4,6.4) E22(7.2,6.4) E23(8,6.4) E24(8.8,6.4) E25(9.6,6.4) F1(-9.6,5.6) F2(-8.8,5.6) F3(-8,5.6) F4(-7.2,5.6) F5(-6.4,5.6) F6(-5.6,5.6) F7(-4.8,5.6) F8(-4,5.6) F9(-3.2,5.6) F10(-2.4,5.6) F11(-1.6,5.6) F12(-0.8,5.6) F13(0,5.6) F14(0.8,5.6) F15(1.6,5.6) F16(2.4,5.6) F17(3.2,5.6) F18(4,5.6) F19(4.8,5.6) F20(5.6,5.6) F21(6.4,5.6) F22(7.2,5.6) F23(8,5.6) F24(8.8,5.6) F25(9.6,5.6) G1(-9.6,4.8) G2(-8.8,4.8) G3(-8,4.8) G4(-7.2,4.8) G5(-6.4,4.8) G6(-5.6,4.8) G7(-4.8,4.8) G8(-4,4.8) G9(-3.2,4.8) G10(-2.4,4.8) G11(-1.6,4.8) G12(-0.8,4.8) G13(0,4.8) G14(0.8,4.8) G15(1.6,4.8) G16(2.4,4.8) G17(3.2,4.8) G18(4,4.8) G19(4.8,4.8) G20(5.6,4.8) G21(6.4,4.8) G22(7.2,4.8) G23(8,4.8) G24(8.8,4.8) G25(9.6,4.8) H1(-9.6,4) H2(-8.8,4) H3(-8,4) H4(-7.2,4) H5(-6.4,4) H6(-5.6,4) H7(-4.8,4) H8(-4,4) H9(-3.2,4) H10(-2.4,4) H11(-1.6,4) H12(-0.8,4) H13(0,4) H14(0.8,4) H15(1.6,4) H16(2.4,4) H17(3.2,4) H18(4,4) H19(4.8,4) H20(5.6,4) H21(6.4,4) H22(7.2,4) H23(8,4) H24(8.8,4) H25(9.6,4) J1(-9.6,3.2) J2(-8.8,3.2) J3(-8,3.2) J4(-7.2,3.2) J5(-6.4,3.2) J6(-5.6,3.2) J7(-4.8,3.2) J8(-4,3.2) J9(-3.2,3.2) J10(-2.4,3.2) J11(-1.6,3.2) J12(-0.8,3.2) J13(0,3.2) J14(0.8,3.2) J15(1.6,3.2) J16(2.4,3.2) J17(3.2,3.2) J18(4,3.2) J19(4.8,3.2) J20(5.6,3.2) J21(6.4,3.2) J22(7.2,3.2) J23(8,3.2) J24(8.8,3.2) J25(9.6,3.2) K1(-9.6,2.4) K2(-8.8,2.4) K3(-8,2.4) K4(-7.2,2.4) K5(-6.4,2.4) K6(-5.6,2.4) K7(-4.8,2.4) K8(-4,2.4) K9(-3.2,2.4) K10(-2.4,2.4) K11(-1.6,2.4) K12(-0.8,2.4) K13(0,2.4) K14(0.8,2.4) K15(1.6,2.4) K16(2.4,2.4) K17(3.2,2.4) K18(4,2.4) K19(4.8,2.4) K20(5.6,2.4) K21(6.4,2.4) K22(7.2,2.4) K23(8,2.4) K24(8.8,2.4) K25(9.6,2.4) L1(-9.6,1.6) L2(-8.8,1.6) L3(-8,1.6) L4(-7.2,1.6) L5(-6.4,1.6) L6(-5.6,1.6) L7(-4.8,1.6) L8(-4,1.6) L9(-3.2,1.6) L10(-2.4,1.6) L11(-1.6,1.6) L12(-0.8,1.6) L13(0,1.6) L14(0.8,1.6) L15(1.6,1.6) L16(2.4,1.6) L17(3.2,1.6) L18(4,1.6) L19(4.8,1.6) L20(5.6,1.6) L21(6.4,1.6) L22(7.2,1.6) L23(8,1.6) L24(8.8,1.6) L25(9.6,1.6) M1(-9.6,0.8) M2(-8.8,0.8) M3(-8,0.8) M4(-7.2,0.8) M5(-6.4,0.8) M6(-5.6,0.8) M7(-4.8,0.8) M8(-4,0.8) M9(-3.2,0.8) M10(-2.4,0.8) M11(-1.6,0.8) M12(-0.8,0.8) M13(0,0.8) M14(0.8,0.8) M15(1.6,0.8) M16(2.4,0.8) M17(3.2,0.8) M18(4,0.8) M19(4.8,0.8) M20(5.6,0.8) M21(6.4,0.8) M22(7.2,0.8) M23(8,0.8) M24(8.8,0.8) M25(9.6,0.8) N1(-9.6,0) N2(-8.8,0) N3(-8,0) N4(-7.2,0) N5(-6.4,0) N6(-5.6,0) N7(-4.8,0) N8(-4,0) N9(-3.2,0) N10(-2.4,0) N11(-1.6,0) N12(-0.8,0) N13(0,0) N14(0.8,0) N15(1.6,0) N16(2.4,0) N17(3.2,0) N18(4,0) N20(5.6,0) N21(6.4,0) N22(7.2,0) N23(8,0) N24(8.8,0) N25(9.6,0) P1(-9.6,-0.8) P2(-8.8,-0.8) P3(-8,-0.8) P4(-7.2,-0.8) P5(-6.4,-0.8) P6(-5.6,-0.8) P7(-4.8,-0.8) P8(-4,-0.8) P9(-3.2,-0.8) P10(-2.4,-0.8) P11(-1.6,-0.8) P12(-0.8,-0.8) P13(0,-0.8) P14(0.8,-0.8) P15(1.6,-0.8) P16(2.4,-0.8) P17(3.2,-0.8) P18(4,-0.8) P19(4.8,-0.8) P20(5.6,-0.8) P21(6.4,-0.8) P22(7.2,-0.8) P23(8,-0.8) P24(8.8,-0.8) P25(9.6,-0.8) R1(-9.6,-1.6) R2(-8.8,-1.6) R3(-8,-1.6) R4(-7.2,-1.6) R5(-6.4,-1.6) R6(-5.6,-1.6) R7(-4.8,-1.6) R8(-4,-1.6) R9(-3.2,-1.6) R10(-2.4,-1.6) R11(-1.6,-1.6) R12(-0.8,-1.6) R13(0,-1.6) R14(0.8,-1.6) R15(1.6,-1.6) R16(2.4,-1.6) R17(3.2,-1.6) R18(4,-1.6) R19(4.8,-1.6) R20(5.6,-1.6) R21(6.4,-1.6) R22(7.2,-1.6) R23(8,-1.6) R24(8.8,-1.6) R25(9.6,-1.6) T1(-9.6,-2.4) T2(-8.8,-2.4) T3(-8,-2.4) T4(-7.2,-2.4) T5(-6.4,-2.4) T6(-5.6,-2.4) T7(-4.8,-2.4) T8(-4,-2.4) T9(-3.2,-2.4) T10(-2.4,-2.4) T11(-1.6,-2.4) T12(-0.8,-2.4) T13(0,-2.4) T14(0.8,-2.4) T15(1.6,-2.4) T16(2.4,-2.4) T17(3.2,-2.4) T18(4,-2.4) T19(4.8,-2.4) T20(5.6,-2.4) T21(6.4,-2.4) T22(7.2,-2.4) T23(8,-2.4) T24(8.8,-2.4) T25(9.6,-2.4) U1(-9.6,-3.2) U2(-8.8,-3.2) U3(-8,-3.2) U4(-7.2,-3.2) U5(-6.4,-3.2) U6(-5.6,-3.2) U7(-4.8,-3.2) U8(-4,-3.2) U9(-3.2,-3.2) U10(-2.4,-3.2) U11(-1.6,-3.2) U12(-0.8,-3.2) U13(0,-3.2) U14(0.8,-3.2) U15(1.6,-3.2) U16(2.4,-3.2) U17(3.2,-3.2) U18(4,-3.2) U19(4.8,-3.2) U20(5.6,-3.2) U21(6.4,-3.2) U22(7.2,-3.2) U23(8,-3.2) U24(8.8,-3.2) U25(9.6,-3.2) V1(-9.6,-4) V2(-8.8,-4) V3(-8,-4) V4(-7.2,-4) V5(-6.4,-4) V6(-5.6,-4) V7(-4.8,-4) V8(-4,-4) V9(-3.2,-4) V10(-2.4,-4) V11(-1.6,-4) V12(-0.8,-4) V13(0,-4) V14(0.8,-4) V15(1.6,-4) V16(2.4,-4) V17(3.2,-4) V18(4,-4) V19(4.8,-4) V20(5.6,-4) V21(6.4,-4) V22(7.2,-4) V23(8,-4) V24(8.8,-4) V25(9.6,-4) W1(-9.6,-4.8) W2(-8.8,-4.8) W3(-8,-4.8) W4(-7.2,-4.8) W5(-6.4,-4.8) W6(-5.6,-4.8) W7(-4.8,-4.8) W8(-4,-4.8) W9(-3.2,-4.8) W10(-2.4,-4.8) W11(-1.6,-4.8) W12(-0.8,-4.8) W13(0,-4.8) W14(0.8,-4.8) W15(1.6,-4.8) W16(2.4,-4.8) W17(3.2,-4.8) W18(4,-4.8) W19(4.8,-4.8) W20(5.6,-4.8) W21(6.4,-4.8) W22(7.2,-4.8) W23(8,-4.8) W24(8.8,-4.8) W25(9.6,-4.8) Y1(-9.6,-5.6) Y2(-8.8,-5.6) Y3(-8,-5.6) Y4(-7.2,-5.6) Y5(-6.4,-5.6) Y6(-5.6,-5.6) Y7(-4.8,-5.6) Y8(-4,-5.6) Y9(-3.2,-5.6) Y10(-2.4,-5.6) Y11(-1.6,-5.6) Y12(-0.8,-5.6) Y13(0,-5.6) Y14(0.8,-5.6) Y15(1.6,-5.6) Y16(2.4,-5.6) Y17(3.2,-5.6) Y18(4,-5.6) Y19(4.8,-5.6) Y20(5.6,-5.6) Y21(6.4,-5.6) Y22(7.2,-5.6) Y23(8,-5.6) Y24(8.8,-5.6) Y25(9.6,-5.6)
  round 0.3 smd: N19(4.8,0)
  silkscreen extent -11,-10.5 10.5,10.5, body extent -10.5,-10.5 10.5,10.5, height 1.5
QFN32_1 [mm]
  rect 0.6x0.254 smd: 1(-2.3,1.75) 2(-2.3,1.25) 3(-2.3,0.75) 4(-2.3,0.25) 5(-2.3,-0.25) 6(-2.3,-0.75) 7(-2.3,-1.25) 8(-2.3,-1.75) 17(2.3,-1.75) 18(2.3,-1.25) 19(2.3,-0.75) 20(2.3,-0.25) 21(2.3,0.25) 22(2.3,0.75) 23(2.3,1.25) 24(2.3,1.75)
  rect 0.254x0.6 smd: 9(-1.75,-2.3) 10(-1.25,-2.3) 11(-0.75,-2.3) 12(-0.25,-2.3) 13(0.25,-2.3) 14(0.75,-2.3) 15(1.25,-2.3) 16(1.75,-2.3) 25(1.75,2.3) 26(1.25,2.3) 27(0.75,2.3) 28(0.25,2.3) 29(-0.25,2.3) 30(-0.75,2.3) 31(-1.25,2.3) 32(-1.75,2.3)
  rect 2x2 smd: EXP(0,0)
  silkscreen extent -2.45,-2.45 2.45,2.45, body extent -2.51,-2.52 2.51,2.5, height 0.8
qfn40 [mm] "QFN, 40-Leads"
  oval 0.9x0.25 smd: 1(-2.9,2.25) 2(-2.9,1.75) 3(-2.9,1.25) 4(-2.9,0.75) 5(-2.9,0.25) 6(-2.9,-0.25) 7(-2.9,-0.75) 8(-2.9,-1.25) 9(-2.9,-1.75) 10(-2.9,-2.25) 21(2.9,-2.25) 22(2.9,-1.75) 23(2.9,-1.25) 24(2.9,-0.75) 25(2.9,-0.25) 26(2.9,0.25) 27(2.9,0.75) 28(2.9,1.25) 29(2.9,1.75) 30(2.9,2.25)
  oval 0.25x0.9 smd: 11(-2.25,-2.9) 12(-1.75,-2.9) 13(-1.25,-2.9) 14(-0.75,-2.9) 15(-0.25,-2.9) 16(0.25,-2.9) 17(0.75,-2.9) 18(1.25,-2.9) 19(1.75,-2.9) 20(2.25,-2.9) 31(2.25,2.9) 32(1.75,2.9) 33(1.25,2.9) 34(0.75,2.9) 35(0.25,2.9) 36(-0.25,2.9) 37(-0.75,2.9) 38(-1.25,2.9) 39(-1.75,2.9) 40(-2.25,2.9)
  rect 3.5x3.5 smd: 41(0,0)
  silkscreen extent -4.02,-3 3,3, body extent -3,-3 3,3, height 0.75
R0402#1 [mm]
  rect 0.5x0.6 smd: 1(-0.494,-0.021) 2(0.506,-0.021)
  silkscreen extent -0.13,-0.3 0.15,0.25, body extent -0.5,-0.27 0.5,0.23, height 0.3
R0402#2 [mm]
  rrect50% 0.5x0.6 smd: 1(-0.494,-0.021)
  rect 0.5x0.6 smd: 2(0.506,-0.021)
  silkscreen extent -0.13,-0.3 0.15,0.25, body extent -0.5,-0.27 0.5,0.23, height 0.3
R0402#3 [mm]
  rrect50% 0.5x0.6 smd: 1(-0.494,-0.021) 2(0.506,-0.021)
  silkscreen extent -0.13,-0.3 0.15,0.25, body extent -0.5,-0.27 0.5,0.23, height 0.3
SKRPAB [mm]
  rect 1.05x0.65 smd: 1(-2.05,1.15) 2(-2.05,-1) 3(2.1,1.15) 4(2.1,-1)
  silkscreen extent -2.22,-1.53 2.38,1.67, body extent -2.27,-1.52 2.32,1.68, height 2.5
SOT-23-6 [mm] "SOT-23/SC-74A; 5 Leads; Body 3.1 x 3 mm, inc. leads (LxW max)"
  rect 0.55x1.45 smd: 1(0.95,1.075) 2(0,1.075) 3(-0.95,1.075) 4(-0.95,-1.075) 5(0,-1.075) 6(0.95,-1.075)
  silkscreen extent -1.55,-0.9 1.73,1.88, body extent -1.4,-1.19 1.4,1.23, height 1.08
TSX-3225 [mm]
  rect 1.2x1 smd: 1(1.133,0.764) 2(-1.067,0.764) 3(-1.067,-0.936) 4(1.133,-0.936)
  silkscreen extent -2.07,-1.89 2.43,2.01, body extent -1.6,-1.33 1.6,1.17, height 0.6
VLCF4020#1 [mm]
  rect 1.6x3 smd paste-10: 1(-1.5,0.1)
  rect 1.6x3 smd paste-10 mask+0.1: 2(1.4,0.1)
  silkscreen extent -0.4,-2 0.3,2.2, body extent -2.2,-1.9 2.1,2.1, height 2.1
VLCF4020#2 [mm]
  rrect50% 1.6x3 smd paste-10: 1(-1.5,0.1)
  rect 1.6x3 smd paste-10 mask+0.1: 2(1.4,0.1)
  silkscreen extent -0.4,-2 0.3,2.2, body extent -2.2,-1.9 2.1,2.1, height 2.1